# Altium PCB FlatSat Half1.PcbDoc (part 6 of 9)
Units mil, origin at the board's own origin, x right, y up, seen from the top; angles counter-clockwise.
Board outline 4682 x 10392 mil, 4 copper layers (Top Layer, STR GND 1, STR GND 2, Bottom Layer), stack 33.434 mil thick; 231 components, 255 nets, 990 pads, 1106 vias.
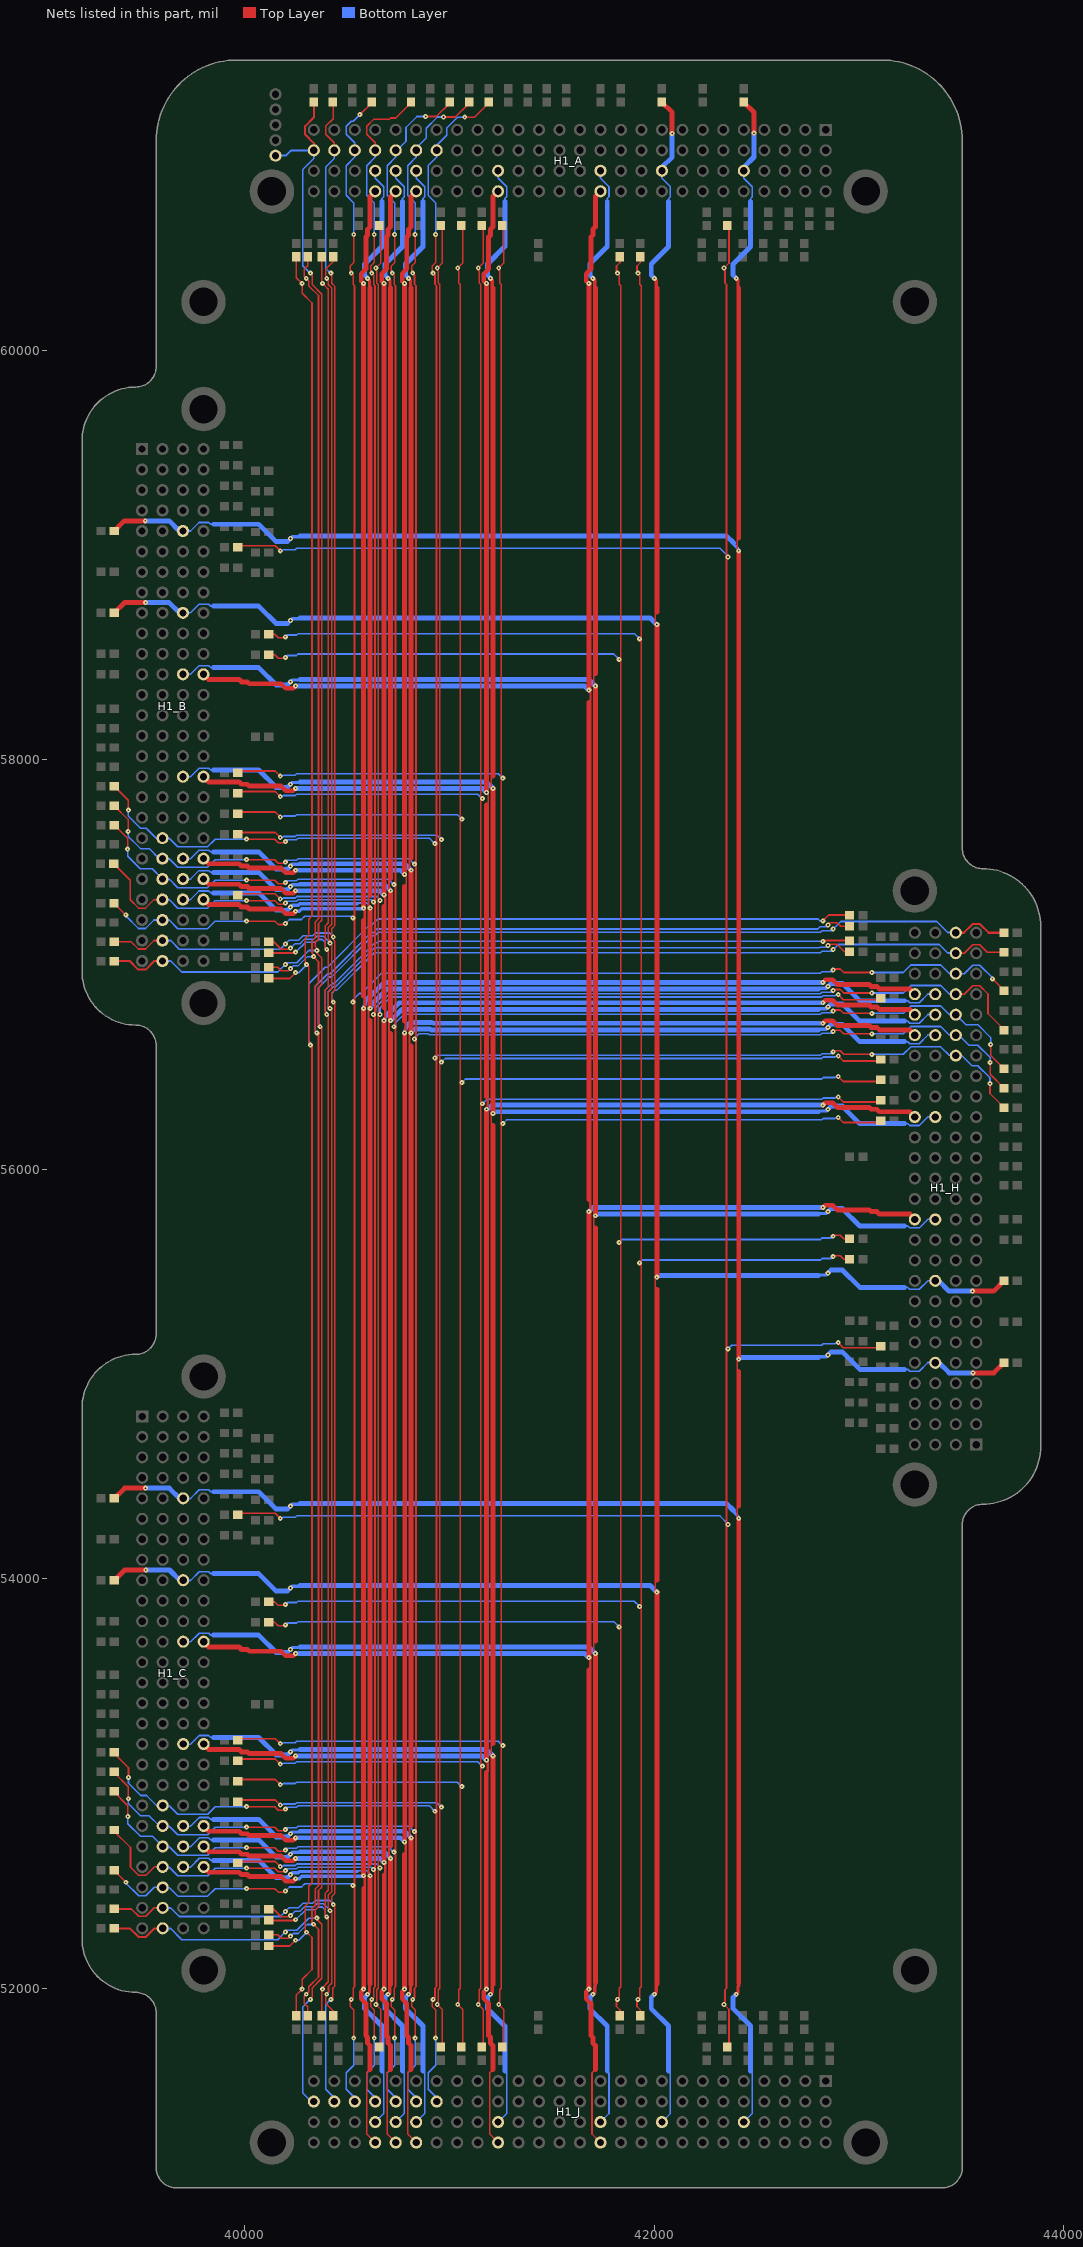
[diagram p8: the nets of this part, all layers, seen from the top]

## Via types
v1: diameter 24, hole 8, Top Layer to Bottom Layer, 1106 vias

## Nets (pads, with @x,y where several pads share a name; then routed paths per layer and width w, separated by ;. In a path a pad name is that pad's centre, name@x,y a point inside that pad or via, vN(x,y) a via of type N, cw(c..) or ccw(c..) an arc to the next point about the centre after c; other vN are vias at no path point) (continued)
12V_BUS_1: H1_A.75 H1_B.75 H1_C.75 H1_H.75 H1_J.75 | length 15584.3
  Top Layer w8: v1(41712,53635) 41704,53643 41704,53687 41712,53695 ; 41712,55713 41704,55721 41704,55765 v1(41712,55773) ; v1(41712,58360) 41704,58368 41704,58412 41712,58420
  Top Layer w16: v1(41700,51971) 41709,51980 41709,52010 41712,52013 41712,52021 ; v1(41700,60351) 41709,60342 41709,60312 41712,60309 41712,60304
  Top Layer w24: 41712,52029 v1(41712,53635) ; 41712,53695 41712,55713 ; v1(41712,55773) v1(41712,58360) ; 41712,58420 41712,60304
  Bottom Layer w8: H1_C.75@39698,53692 39735,53692 39777.53,53734.53 39823.47,53734.53 39833,53725 39848,53725 ; H1_B.75@39698,58417 39735,58417 39776.53,58458.53 39824.47,58458.53 39833,58450 39848,58450 ; H1_J.75@41737,51347 41778.53,51388.53 41778.53,51587.47 41770,51596 ; H1_A.75@41737,60876 41737,60839 41778.53,60797.47 41778.53,60749.53 41770,60741 41770,60726 ; 43223,55723 43238,55723 43247.53,55713.47 43293.47,55713.47 43336,55756 H1_H.75@43373,55756
  Bottom Layer w16: v1(40223,53655) 40232,53664 40262,53664 ; v1(40223,58380) 40232,58389 40262,58389 ; 40265,53667 40270,53667 ; 40265,58392 40270,58392 ; 42801,55781 42806,55781 ; 42809,55784 42839,55784 v1(42848,55793)
  Bottom Layer w22: 40208,53640 v1(40223,53655) ; 40208,58365 v1(40223,58380) ; 41685,51956 v1(41700,51971) ; 41685,60366 v1(41700,60351) ; v1(42848,55793) 42863,55808
  Bottom Layer w24: 39848,53725 40068,53725 40153,53640 40208,53640 ; 39848,58450 40068,58450 40153,58365 40208,58365 ; 40270,53667 41680,53667 v1(41712,53635) ; 40270,58392 41680,58392 v1(41712,58360) ; 41685,51956 41685,51901 41770,51816 41770,51596 ; 41685,60366 41685,60421 41770,60506 41770,60726 ; v1(41712,55773) 41720,55781 42801,55781 ; 42863,55808 42918,55808 43003,55723 43223,55723
12V_BUS_2: H1_A.76 H1_B.76 H1_C.76 H1_H.76 H1_J.76 | length 15109.2
  Top Layer w8: 41680,58280 41688,58288 41688,58332 v1(41680,58340) ; 41712,51604 41695.47,51587.47 41695.47,51288.53 H1_J.76@41737,51247
  Top Layer w12: 41680,53555 41686,53561 41686,53609 v1(41680,53615) ; v1@41680,55792 41686,55798 41686,55847 41680,55853
  Top Layer w22: 40177,53646 40200,53623 40236.25,53623 v1@40248.13,53634.87 ; 40177,58371 40200,58348 40236.25,58348 v1@40248.13,58359.87 ; v1@41679.87,51996.13 41668,51984.25 41668,51948 41691,51925 ; v1@41679.87,60325.87 41668,60337.75 41668,60374 41691,60397 ; v1@42822.87,55813.13 42834.75,55825 42871,55825 42894,55802
  Top Layer w24: H1_C.76@39798,53692 39823,53667 39972,53667 39984,53655 40012.6,53655 40021.6,53646 40177,53646 ; H1_B.76@39798,58417 39823,58392 39972,58392 39984,58380 40012.6,58380 40021.6,58371 40177,58371 ; v1@41679.87,51996.13 41680,51996.25 41680,53555 ; v1(41680,53615) v1@41680,55792 ; 41680,55853 41680,58280 ; v1(41680,58340) v1(41680,60326) ; 41691,51925 41691,51769.6 41700,51760.6 41700,51732 41712,51720 41712,51604 ; 41691,60397 41691,60552.4 41700,60561.4 41700,60590 41712,60602 41712,60751 H1_A.76@41737,60776 ; 42894,55802 43049.4,55802 43058.4,55793 43087,55793 43099,55781 43248,55781 H1_H.76@43273,55756
  Bottom Layer w24: v1(40248,53635) 41660,53635 v1(41680,53615) ; v1(40248,58360) 41660,58360 v1(41680,58340) ; v1(41680,55793) 41700,55813 v1(42823,55813)
  other v1: 41680,51996
ADCS_CS: R102_A.1 R102_B.1 R102_C.1 R102_E.1 R102_H.1 | length 12121.2
  Top Layer w8: R102_C.1@40117.48,52331.67 40117.48,52331 40244,52331 v1(40248,52335) ; R102_B.1@40117.48,57056.67 40117.48,57056 40244,57056 v1(40248,57060) ; R102_E.1@40376.67,51865.48 40376,51865.48 40376,51992 v1(40380,51996) 40380,52003.63 40408,52031.63 40408,52349 v1(40400,52349) 40392,52349 40392,52462.91 40408,52478.91 40408,56756 v1(40400,56756) ; R102_A.1@40376.67,60456.52 40376,60456.52 40376,60330 v1(40380,60326) 40392,60314 40392,60313.34 40408,60297.34 40408,57203.2 40392,57187.2 v1@40392,57080 ; v1@40392,56756 40392,56874.25 40408,56890.25 40408,57067 v1@40399,57076 ; v1@40400,57072 v1(40400,57074) ; v1(42823,57113) 42827,57117 42953.52,57117 R102_H.1@42953.52,57116.33
  Bottom Layer w8: v1(40248,52335) 40274,52361 40275.82,52361 40297.82,52383 40344.06,52383 40358.06,52397 40377.94,52397 40392,52382.94 v1@40392,52355 ; v1(40248,57060) 40274,57086 40275.82,57086 40297.82,57108 40344.06,57108 40358.06,57122 40377.94,57122 40392,57107.94 v1@40392,57080 ; v1@40397,56756 40398.75,56757.75 40398.75,56767.3 40392,56774.06 40392,56873.49 40425.51,56907 40436.51,56907 40636.51,57107 40647.45,57107 40653.45,57113 v1(42823,57113)
ADCS_MISO: R101_A.2 R101_B.2 R101_C.2 R101_E.2 R101_H.2 | length 12185.7
  Top Layer w8: R101_C.2@40102.15,52386.67 R101_C.2@40108.15,52380.67 ; R101_B.2@40102.15,57111.67 R101_B.2@40108.15,57105.67 ; R101_C.2@40117.48,52386.67 40141.33,52386.67 40178,52350 40218,52350 v1(40223,52355) ; R101_B.2@40117.48,57111.67 40141.33,57111.67 40178,57075 40218,57075 v1(40223,57080) ; v1@40408,56786 40408,56867.63 40424,56883.63 40424,57097 40416,57105 v1@40415,57105 ; v1(40416,56786) 40424,56786 40424,52472 40423.72,52471.72 40423.72,52471.28 40408,52455.57 40408,52379 v1(40416,52379) 40424,52379 40424,52025 40409,52010 40409,51980 v1(40400,51971) 40395,51966 40395,51926 40431.67,51889.33 R101_E.2@40431.67,51865.48 ; v1@40416,57107 40420.16,57111.16 40408,57123.31 40408,57180.57 40424,57196.57 40424,60303.96 40408,60319.96 40408,60343 v1(40400,60351) 40395,60356 40395,60396 40431.67,60432.67 R101_A.2@40431.67,60456.52 ; R101_E.2@40425.67,51856.15 R101_E.2@40431.67,51850.15 ; R101_A.2@40425.67,60465.85 R101_A.2@40431.67,60471.85 ; v1(42848,57093) 42853,57098 42893,57098 42929.67,57061.33 R101_H.2@42953.52,57061.33 ; R101_H.2@42962.85,57067.33 R101_H.2@42968.85,57061.33
  Bottom Layer w8: v1(40223,52355) 40245,52377 40269.2,52377 40291.2,52399 40337.43,52399 40351.43,52413 40384.57,52413 40414,52383.57 v1@40414,52381 ; v1(40223,57080) 40245,57102 40269.2,57102 40291.2,57124 40337.43,57124 40351.43,57138 40384.57,57138 40414,57108.57 v1@40414,57106 ; v1@40414,56786 40408,56792 40408,56866.86 40432.14,56891 40443.14,56891 40633.14,57081 42806,57081 42809,57084 42839,57084 v1(42848,57093)
  other v1: 40416,57104
ADCS_MOSI: R103_A.1 R103_B.1 R103_C.1 R103_E.1 R103_H.1 | length 12195.1
  Top Layer w8: R103_C.1@40117.48,52261.67 40161.33,52261.67 40178,52245 40213,52245 v1(40223,52255) ; R103_B.1@40117.48,56986.67 40161.33,56986.67 40178,56970 40213,56970 v1(40223,56980) ; R103_E.1@40306.67,51865.48 40306.67,51909.33 40290,51926 40290,51961 v1(40300,51971) 40313,51984 40313,52008.25 40360,52055.25 40360,52289 v1(40336,52313) ; R103_A.1@40306.67,60456.52 40306.67,60412.67 40290,60396 40290,60361 v1(40300,60351) 40313,60338 40313,60313.75 40360,60266.75 40360,57223.08 40344,57207.08 40344,57130.57 40328,57114.57 40328,57057.31 v1@40340.16,57045.16 ; v1@40328,52313 40328,52389.57 40344,52405.57 40344,52485 40360,52501 40360,56666 v1(40352,56666) ; v1(40336,57038) 40360,57014 40360,56910.14 40344,56894.14 v1@40344,56666 ; v1(42848,57193) 42858,57203 42893,57203 42909.67,57186.33 R103_H.1@42953.52,57186.33
  Bottom Layer w8: v1(40223,52255) 40236,52268 40260.2,52268 40304.2,52312 v1@40336,52312 ; v1(40223,56980) 40236,56993 40260.2,56993 40304.2,57037 v1@40336,57037 ; v1@40344,56671 40344,56893.37 40405.63,56955 40416.63,56955 40617.63,57156 40628.57,57156 40645.57,57173 42798,57173 42809,57184 42839,57184 v1(42848,57193)
ADCS_PDI_CLK: R20_A.2 R20_B.2 R20_C.2 R20_E.2 R20_H.2 | length 13324.1
  Top Layer w8: R20_C.2@40117.15,53887 R20_C.2@40117.48,53887 40146,53887 40163,53870 v1@40193,53870 ; R20_B.2@40117.15,58612 R20_B.2@40117.48,58612 40146,58612 40163,58595 v1@40193,58595 ; R20_E.2@41932,51865.15 R20_E.2@41932,51865.48 41932,51894 41915,51911 41915,51941 v1(41920,51946) 41929,51955 41929,52000.41 41936,52007.41 41936,60314.59 41929,60321.59 41929,60367 v1(41920,60376) 41915,60381 41915,60411 41932,60428 R20_A.2@41932,60456.52 R20_A.2@41932,60456.85 ; v1@42878,55578 42908,55578 42925,55561 R20_H.2@42953.52,55561 R20_H.2@42953.85,55561
  Bottom Layer w8: v1(40198,53875) 40207,53884 40252.41,53884 40259.41,53891 41902,53891 v1(41928,53865) ; v1(40198,58600) 40207,58609 40252.41,58609 40259.41,58616 41902,58616 v1(41928,58590) ; v1(41928,55543) 41942,55557 42811.59,55557 42818.59,55564 42864,55564 v1(42873,55573)
ADCS_PDI_DATA: R22_A.2 R22_B.2 R22_C.2 R22_E.2 R22_H.2 | length 13244.7
  Top Layer w8: R22_C.2@40117.15,53787 R22_C.2@40117.48,53787 40146,53787 40163,53770 40193,53770 v1(40198,53775) ; R22_B.2@40117.15,58512 R22_B.2@40117.48,58512 40146,58512 40163,58495 40193,58495 v1(40198,58500) ; R22_E.2@41832,51865.15 R22_E.2@41832,51865.48 41832,51894 41815,51911 41815,51941 v1(41820,51946) 41829,51955 41829,52000.41 41836,52007.41 ; R22_A.2@41832,60456.85 R22_A.2@41832,60456.52 41832,60428 41815,60411 41815,60381 v1(41820,60376) 41829,60367 41829,60321.59 41836,60314.59 41836,52008 ; v1(42873,55673) 42878,55678 42908,55678 42925,55661 R22_H.2@42953.52,55661 R22_H.2@42953.85,55661
  Bottom Layer w8: v1(40198,53775) 40207,53784 40252.41,53784 40259.41,53791 41802,53791 v1(41828,53765) ; v1(40198,58500) 40207,58509 40252.41,58509 40259.41,58516 41802,58516 v1(41828,58490) ; v1(41828,55643) 41842,55657 42811.59,55657 42818.59,55664 42864,55664 v1(42873,55673)
ADCS_SCLK: R104_A.2 R104_B.2 R104_C.2 R104_E.2 R104_H.2 | length 12294.4
  Top Layer w8: R104_C.2@40102.15,52206.67 R104_C.2@40117.48,52206.67 40219.67,52206.67 v1(40248,52235) ; R104_B.2@40102.15,56931.67 R104_B.2@40117.48,56931.67 40219.67,56931.67 v1(40248,56960) ; R104_E.2@40251.67,51850.15 R104_E.2@40251.67,51865.48 40251.67,51967.67 v1(40280,51996) 40280,52044 40328,52092 40328,52248 v1(40302,52274) 40296,52280 40296,52402.82 40312,52418.82 40312,52498.25 40328,52514.25 40328,56606 v1(40320,56606) 40312,56606 40312,56989 v1(40302,56999) 40296,57005 40296,57127.82 40312,57143.82 40312,57220.33 40328,57236.33 40328,60230.06 40280,60278.06 v1(40280,60326) 40251.67,60354.33 R104_A.2@40251.67,60456.52 R104_A.2@40251.67,60471.85 ; v1(42823,57213) 42851.33,57241.33 R104_H.2@42953.52,57241.33
  Bottom Layer w8: v1(40248,52235) 40263,52235 v1(40302,52274) ; v1(40248,56960) 40263,56960 v1(40302,56999) ; v1(40320,56606) 40320,56618.06 40312,56626.06 40312,56906.63 40392.37,56987 40403.37,56987 40604.37,57188 40615.31,57188 40649.31,57222 42798.94,57222 42807.94,57213 v1(42823,57213)
ADCS_SS1: R11_A.1 R11_B.1 R11_C.1 R11_E.1 R11_H.1 | length 14590.4
  Top Layer w8: R11_C.1@39965.48,54312 39965.48,54319.67 40148.33,54319.67 v1(40173,54295) ; R11_B.1@39965.48,59037 39965.48,59044.67 40148.33,59044.67 v1(40173,59020) ; R11_E.1@42357,51713.48 42364.67,51713.48 42364.67,51896.33 v1(42340,51921) 42340,51930 42345,51935 42345,51993.78 42352.03,52000.81 42352.03,60321.19 42345,60328.22 42345,60387 42340,60392 v1(42340,60401) 42364.67,60425.67 42364.67,60608.52 R11_A.1@42357,60608.52 ; v1(42898,55153) 42922.67,55128.33 43105.52,55128.33 R11_H.1@43105.52,55136
  Bottom Layer w8: v1(40173,54295) 40182,54295 40187,54300 40245.78,54300 40252.78,54307 42320.94,54307 42361,54266.94 v1@42361,54265 ; v1(40173,59020) 40182,59020 40187,59025 40245.78,59025 40252.78,59032 42320.94,59032 42361,58991.94 v1@42361,58990 ; v1(42360,55123) 42378,55141 42818.22,55141 42825.22,55148 42884,55148 42889,55153 v1(42898,55153)
  other v1: 42360,54265 42360,58990
BAT_POS_1: H1_A.85 H1_B.85 H1_C.85 H1_H.85 H1_J.85 | length 15106.6
  Top Layer w8: v1(41212,53135) 41204,53143 41204,53187 41212,53195 ; 41212,56213 41204,56221 41204,56265 v1(41212,56273) ; v1(41212,57860) 41204.01,57867.99 41204.01,57876.96 41204,57914 41210,57920 41212,57920
  Top Layer w16: v1(41200,51971) 41209,51980 41209,52010 41212,52013 41212,52018 ; v1(41200,60351) 41209,60342 41209,60312 41212,60309 41212,60304
  Top Layer w24: 41212.01,52031.99 41212.01,52018.4 v1(41212,53135) ; 41212,53195 41212,56213 ; v1(41212,56273) v1(41212,57860) ; 41212,57920 41212,60304
  Bottom Layer w8: H1_C.85@39698,53192 39735,53192 39777.53,53234.53 39823.47,53234.53 39833,53225 39848,53225 ; H1_B.85@39698,57917 39735,57917 39776.53,57958.53 39824.47,57958.53 39833,57950 39848,57950 ; H1_J.85@41237,51347 41278.53,51388.53 41278.53,51587.47 41270,51596 ; H1_A.85@41237,60876 41237,60839 41278.53,60797.47 41278.53,60749.53 41270,60741 41270,60726 ; 43223,56223 43238,56223 43247.53,56213.47 43293.47,56213.47 43336,56256 H1_H.85@43373,56256
  Bottom Layer w16: v1(40223,53155) 40232,53164 40262,53164 ; v1(40223,57880) 40232,57889 40262,57889 ; 40265,53167 40270,53167 ; 40265,57892 40270,57892 ; 42801,56281 42806,56281 ; 42809,56284 42839,56284 v1(42848,56293)
  Bottom Layer w22: 40208,53140 v1(40223,53155) ; 40208,57865 v1(40223,57880) ; 41185,51956 v1(41200,51971) ; 41185,60366 v1(41200,60351) ; v1(42848,56293) 42863,56308
  Bottom Layer w24: 39848,53225 40068,53225 40153,53140 40208,53140 ; 39848,57950 40068,57950 40153,57865 40208,57865 ; 40270,53167 41180,53167 v1(41212,53135) ; 40270,57892 41180,57892 v1(41212,57860) ; 41185,51956 41185,51901 41270,51816 41270,51596 ; 41185,60366 41185,60421 41270,60506 41270,60726 ; v1(41212,56273) 41220,56281 42801,56281 ; 42863,56308 42918,56308 43003,56223 43223,56223
BAT_POS_2: H1_A.86 H1_B.86 H1_C.86 H1_H.86 H1_J.86 | length 14590.5
  Top Layer w8: 41180,57780 41188,57788 41188,57831.99 v1(41180,57840) ; 41212,51604 41195.47,51587.47 41195.47,51288.53 H1_J.86@41237,51247
  Top Layer w12: 41180,53055 41186,53061 41186,53109 v1(41180,53115) ; v1(41180,56293) 41186,56299 41186,56346 41180,56352
  Top Layer w22: 40177,53146 40200,53123 40236.25,53123 v1@40248.13,53134.87 ; 40177,57871 40200,57848 40236.25,57848 ; v1@41179.87,51996.13 41168,51984.25 41168,51948 41191,51925 ; v1@41179.87,60325.87 41168,60337.75 41168,60374 41191,60397 ; v1(41180,51996) 41180,53055 ; v1@42822.87,56313.13 42834.75,56325 42871,56325 42894,56302
  Top Layer w24: H1_C.86@39798,53192 39823,53167 39972,53167 39984,53155 40012.6,53155 40021.6,53146 40177,53146 ; H1_B.86@39798,57917 39823,57892 39972,57892 39984,57880 40012.6,57880 40021.6,57871 40177,57871 ; v1(41180,53115) v1(41180,56293) ; 41180,56354 41180,57780 ; v1(41180,57840) 41180,57860 v1(41180,60326) ; 41191,51925 41191,51769.6 41200,51760.6 41200,51732 41212,51720 41212,51604 ; 41191,60397 41191,60552.4 41200,60561.4 41200,60590 41212,60602 41212,60751 H1_A.86@41237,60776 ; 42894,56302 43049.4,56302 43058.4,56293 43087,56293 43099,56281 43248,56281 H1_H.86@43273,56256
  Bottom Layer w24: v1(40248,53135) 41160,53135 v1(41180,53115) ; v1(40248,57860) 41160,57860 v1(41180,57840) ; v1(41180,56293) 41186.75,56293 41206.75,56313 v1(42823,56313)
BATV_BUS_1: H1_A.97 H1_B.97 H1_C.97 H1_H.97 H1_J.97 | length 14520.7
  Top Layer w8: v1@40604,57283 40604,57331 40612,57339 ; v1(40612,52550) 40604,52558 40604,52602 40612,52610 ; 40612,56726 40604,56734 40604,56778 v1(40612,56786)
  Top Layer w16: v1(40600,51971) 40609,51980 40609,52016 40612,52019 ; v1(40600,60351) 40609,60342 40609,60312 40612,60309 40612,60304
  Top Layer w24: 40612,52020 v1(40612,52550) ; 40612,52610 40612,56726 ; v1@40612,56786.47 v1(40612,57275) ; 40612,57339 40612,60304
  Bottom Layer w8: H1_C.97@39698,52592 39735,52592 39777.53,52634.53 39823.47,52634.53 39833,52625 39848,52625 ; H1_B.97@39698,57317 39735,57317 39776.53,57358.53 39824.47,57358.53 39833,57350 39848,57350 ; 40549,52571 40553,52575 40596,52575 v1@40611,52560 ; 40549,57296 40553,57300 40596,57300 v1@40611,57285 ; H1_J.97@40637,51347 40678.53,51388.53 40678.53,51587.47 40670,51596 ; H1_A.97@40637,60876 40637,60839 40678.53,60797.47 40678.53,60749.53 40670,60741 40670,60726 ; 43223,56823 43238,56823 43247.53,56813.47 43293.47,56813.47 43336,56856 H1_H.97@43373,56856
  Bottom Layer w16: v1(40223,52555) 40232,52564 40260.69,52564 40267.69,52571 40549,52571 ; v1(40223,57280) 40232,57289 40260.69,57289 40267.69,57296 40549,57296 ; 42801,56881 42806,56881 ; 42809,56884 42839,56884 v1(42848,56893)
  Bottom Layer w22: 40208,52540 v1(40223,52555) ; 40208,57265 v1(40223,57280) ; 40585,51956 v1(40600,51971) ; 40585,60366 v1(40600,60351) ; v1(42848,56893) 42863,56908
  Bottom Layer w24: 39848,52625 40068,52625 40153,52540 40208,52540 ; 39848,57350 40068,57350 40153,57265 40208,57265 ; 40585,51956 40585,51901 40670,51816 40670,51596 ; 40585,60366 40585,60421 40670,60506 40670,60726 ; v1(40612,56786) 40612,56788.8 40616,56792.8 40616,56800.57 40696.43,56881 42801,56881 ; 42863,56908 42918,56908 43003,56823 43223,56823
BATV_BUS_2: H1_A.98 H1_B.98 H1_C.98 H1_H.98 H1_J.98 | length 14031.7
  Top Layer w8: 40612,51604 40595.47,51587.47 40595.47,51288.53 H1_J.98@40637,51247
  Top Layer w12: 40580,52490 40586,52496 40586,52544 v1(40580,52550) ; v1@40580,56789 40586,56795 40586,56840 40580,56846 ; 40580,57214 40586,57220 40586,57269 v1(40580,57275)
  Top Layer w22: 40177,52546 40200,52523 40236.25,52523 v1@40248.13,52534.87 ; 40177,57271 40200,57248 40236.25,57248 v1@40248.13,57259.87 ; 40568,60337.75 40568,60374 40591,60397 ; v1@40579.87,51996.13 40568,51984.25 40568,51948 40591,51925 ; v1(40580,51996) 40580,52489 ; 42834.75,56925 42871,56925 42894,56902
  Top Layer w24: H1_C.98@39798,52592 39823,52567 39972,52567 39984,52555 40012.6,52555 40021.6,52546 40177,52546 ; H1_B.98@39798,57317 39823,57292 39972,57292 39984,57280 40012.6,57280 40021.6,57271 40177,57271 ; v1(40580,52550) v1(40580,56786) ; 40580,56846 40580,57214 ; v1(40580,57275) v1(40580,60326) ; 40591,51925 40591,51769.6 40600,51760.6 40600,51732 40612,51720 40612,51604 ; 40591,60397 40591,60552.4 40600,60561.4 40600,60590 40612,60602 40612,60751 H1_A.98@40637,60776 ; 42894,56902 43049.4,56902 43058.4,56893 43087,56893 43099,56881 43248,56881 H1_H.98@43273,56856
  Bottom Layer w16: v1(40248,52535) 40265.63,52535 40277.63,52547 40577,52547 v1(40580,52550) v1@40581,52551 ; v1(40248,57260) 40265.63,57260 40277.63,57272 40577,57272 v1(40580,57275) v1@40581,57276 ; v1@40580,56789 40580,56796.4 40588,56804.4 40588,56824 40594,56830
  Bottom Layer w24: 40592,56824.9 40680.1,56913 v1(42823,56913)
BCR_OUT_1: H1_A.93 H1_B.93 H1_C.93 H1_H.93 H1_J.93 | length 14690.5
  Top Layer w8: v1(40812,52735) 40804,52743 40804,52787 40812,52795 ; 40812,56603 40804,56611 40804,56658 v1(40812,56666) ; v1(40812,57460) 40804,57468 40804,57512 40812,57520
  Top Layer w16: v1(40800,51971) 40809,51980 40809,52010 40812,52013 40812,52018 ; v1(40800,60351) 40809,60342 40809,60312 40812,60309 40812,60304
  Top Layer w24: 40812,52018 v1(40812,52735) ; 40812,52795 40812,56603 ; v1(40812,56666) v1(40812,57460) ; 40812,57520 40812,60304
  Bottom Layer w8: H1_C.93@39698,52792 39735,52792 39777.53,52834.53 39823.47,52834.53 39833,52825 39848,52825 ; H1_B.93@39698,57517 39735,57517 39776.53,57558.53 39824.47,57558.53 39833,57550 39848,57550 ; H1_J.93@40837,51347 40878.53,51388.53 40878.53,51587.47 40870,51596 ; H1_A.93@40837,60876 40837,60839 40878.53,60797.47 40878.53,60749.53 40870,60741 40870,60726 ; 43223,56623 43238,56623 43247.53,56613.47 43293.47,56613.47 43336,56656 H1_H.93@43373,56656
  Bottom Layer w16: v1(40223,52755) 40232,52764 40262,52764 ; v1(40223,57480) 40232,57489 40262,57489 ; 40265,52767 40270,52767 ; 40265,57492 40270,57492 ; 42801,56681 42806,56681 ; 42809,56684 42839,56684 v1(42848,56693)
  Bottom Layer w22: 40208,52740 v1(40223,52755) ; 40208,57465 v1(40223,57480) ; 40785,51956 v1(40800,51971) ; 40785,60366 v1(40800,60351) ; v1(42848,56693) 42863,56708
  Bottom Layer w24: 39848,52825 40068,52825 40153,52740 40208,52740 ; 39848,57550 40068,57550 40153,57465 40208,57465 ; 40270,52767 40780,52767 v1(40812,52735) ; 40270,57492 40780,57492 v1(40812,57460) ; 40785,51956 40785,51901 40870,51816 40870,51596 ; 40785,60366 40785,60421 40870,60506 40870,60726 ; v1@40812,56667 40812,56668.8 40828.2,56685 40904,56685 ; 40911,56681 42801,56681 ; 42863,56708 42918,56708 43003,56623 43223,56623
BCR_OUT_2: H1_A.95 H1_B.95 H1_C.95 H1_H.95 H1_J.95 | length 14609.7
  Top Layer w8: v1(40712,52635) 40704,52643 40704,52687 40712,52695 ; 40712,56662 40704,56670 40704,56718 v1(40712,56726) ; v1(40712,57360) 40704,57368 40704,57412 40712,57420
  Top Layer w16: v1(40700,51971) 40708,51979 40708,52014 40712,52018 ; v1(40700,60351) 40709,60342 40709,60312 40712,60309 40712,60304
  Top Layer w24: 40712,52018 v1(40712,52635) ; 40712,52695 40712,56662 ; v1(40712,56726) v1(40712,57360) ; 40712,57420 40712,60304
  Bottom Layer w8: H1_C.95@39698,52692 39735,52692 39777.53,52734.53 39823.47,52734.53 39833,52725 39848,52725 ; H1_B.95@39698,57417 39735,57417 39776.53,57458.53 39824.47,57458.53 39833,57450 39848,57450 ; H1_J.95@40737,51347 40778.53,51388.53 40778.53,51587.47 40770,51596 ; H1_A.95@40737,60876 40737,60839 40778.53,60797.47 40778.53,60749.53 40770,60741 40770,60726 ; 43223,56723 43238,56723 43247.53,56713.47 43293.47,56713.47 43336,56756 H1_H.95@43373,56756
  Bottom Layer w16: v1(40223,52655) 40232,52664 40262,52664 ; v1(40223,57380) 40232,57389 40262,57389 ; 40265,52667 40270,52667 ; 40265,57392 40270,57392 ; 42801,56781 42806,56781 ; 42809,56784 42839,56784 v1(42848,56793)
  Bottom Layer w22: 40208,52640 v1(40223,52655) ; 40208,57365 v1(40223,57380) ; 40685,51956 v1(40700,51971) ; 40685,60366 v1(40700,60351) ; v1(42848,56793) 42863,56808
  Bottom Layer w24: 39848,52725 40068,52725 40153,52640 40208,52640 ; 39848,57450 40068,57450 40153,57365 40208,57365 ; 40270,52667 40680,52667 v1(40712,52635) ; 40270,57392 40680,57392 v1(40712,57360) ; 40685,51956 40685,51901 40770,51816 40770,51596 ; 40685,60366 40685,60421 40770,60506 40770,60726 ; v1(40712,56726) 40712.43,56726 40767.43,56781 40768,56781 ; 40770,56781 42801,56781 ; 42863,56808 42918,56808 43003,56723 43223,56723
BCR_OUT_3: H1_A.94 H1_B.94 H1_C.94 H1_H.94 H1_J.94 | length 14233.7
  Top Layer w8: 40780,57380 40788,57388 40788,57432 v1(40780,57440) ; 40812,51604 40795.47,51587.47 40795.47,51288.53 H1_J.94@40837,51247
  Top Layer w12: 40780,52655 40786,52661 40786,52709 v1(40780,52715) ; v1(40780,56666) 40786,56672 40786,56717 40780,56723
  Top Layer w22: 40177,52746 40200,52723 40236.25,52723 v1@40248.13,52734.87 ; 40177,57471 40200,57448 40236.25,57448 v1@40248.13,57459.87 ; v1@40779.87,51996.13 40768,51984.25 40768,51948 40791,51925 ; v1@40779.87,60325.87 40768,60337.75 40768,60374 40791,60397 ; v1(40780,52715) v1(40780,56666) ; v1@42822.87,56713.13 42834.75,56725 42871,56725 42894,56702
  Top Layer w24: H1_C.94@39798,52792 39823,52767 39972,52767 39984,52755 40012.6,52755 40021.6,52746 40177,52746 ; H1_B.94@39798,57517 39823,57492 39972,57492 39984,57480 40012.6,57480 40021.6,57471 40177,57471 ; v1@40779.87,51996.13 40780,51996.25 40780,52655 ; 40780,56723 40780,57380 ; v1(40780,57440) v1(40780,60326) ; 40791,51925 40791,51769.6 40800,51760.6 40800,51732 40812,51720 40812,51604 ; 40791,60397 40791,60552.4 40800,60561.4 40800,60590 40812,60602 40812,60751 H1_A.94@40837,60776 ; 42894,56702 43049.4,56702 43058.4,56693 43087,56693 43099,56681 43248,56681 H1_H.94@43273,56656
  Bottom Layer w16: v1(40780,56666) 40780,56676.4 40788,56684.4 40788,56691 ; 40788,56694 40788,56697 40794,56703
  Bottom Layer w22: v1(40248,52735) 40760,52735 v1(40780,52715) ; v1(40248,57460) 40760,57460 v1(40780,57440) ; 40912,56716 40916.84,56716 40919.84,56713 v1(42823,56713)
  Bottom Layer w24: 40794,56703 40808,56717 40912,56717
  other v1: 40780,51996
BCR_OUT_4: H1_A.96 H1_B.96 H1_C.96 H1_H.96 H1_J.96 | length 14125.9
  Top Layer w8: 40712,51604 40695.47,51587.47 40695.47,51288.53 H1_J.96@40737,51247
  Top Layer w12: 40680,52555 40686,52561 40686,52609 v1(40680,52615) ; v1(40680,56726) 40686,56732 40686,56783 40680,56789 ; 40680,57284 40686,57290 40686,57334 v1(40680,57340)
  Top Layer w22: 40177,52646 40200,52623 40236.25,52623 v1@40248.13,52634.87 ; 40177,57371 40200,57348 40236.25,57348 v1@40248.13,57359.87 ; v1@40679.87,51996.13 40668,51984.25 40668,51948 40691,51925 ; v1@40679.87,60325.87 40668,60337.75 40668,60374 40691,60397 ; v1(40680,51996) 40680,52555 ; 42834.75,56825 42871,56825 42894,56802
  Top Layer w24: H1_C.96@39798,52692 39823,52667 39972,52667 39984,52655 40012.6,52655 40021.6,52646 40177,52646 ; H1_B.96@39798,57417 39823,57392 39972,57392 39984,57380 40012.6,57380 40021.6,57371 40177,57371 ; v1(40680,52615) v1(40680,56726) ; 40680,56789 40680,57284 ; v1(40680,57340) v1(40680,60326) ; 40691,51925 40691,51769.6 40700,51760.6 40700,51732 40712,51720 40712,51604 ; 40691,60397 40691,60552.4 40700,60561.4 40700,60590 40712,60602 40712,60751 H1_A.96@40737,60776 ; 42894,56802 43049.4,56802 43058.4,56793 43087,56793 43099,56781 43248,56781 H1_H.96@43273,56756
  Bottom Layer w16: v1@40681,56726 40684,56729 40684,56737.6 40696.87,56750.47 40696.87,56756.13
  Bottom Layer w24: v1(40248,52635) 40660,52635 v1(40680,52615) ; v1(40248,57360) 40660,57360 v1(40680,57340) ; 40696.87,56756.13 40698.75,56758 40699,56758 40754,56813 v1(42823,56813)
COM_SBAND_INT: R37_A.1 R37_B.1 R37_C.1 R37_E.1 R37_H.1 | length 13269.6
  Top Layer w8: R37_C.1@39965.48,53012 39965.48,53019.67 40148.33,53019.67 v1(40173,52995) ; R37_B.1@39965.48,57737 39965.48,57744.67 40148.33,57744.67 v1(40173,57720) ; R37_E.1@41057,51713.48 41064.67,51713.48 41064.67,51896.33 v1(41040,51921) 41040,51930 41045,51935 41045,51993.78 41052,52000.78 41052,60321.22 41045,60328.22 41045,60387 41040,60392 v1(41040,60401) 41064.67,60425.67 41064.67,60608.52 R37_A.1@41057,60608.52 ; v1(42898,56453) 42922.67,56428.33 43105.52,56428.33 R37_H.1@43105.52,56436
  Bottom Layer w8: v1(40173,52995) 40182,52995 40187,53000 40245.78,53000 40252.78,53007 41038,53007 v1(41060,52985) ; v1(40173,57720) 40182,57720 40187,57725 40245.78,57725 40252.78,57732 41038,57732 v1(41060,57710) ; v1(41060,56423) 41078,56441 42818.22,56441 42825.22,56448 42884,56448 42889,56453 v1(42898,56453)
COM_SBAND_SS: R33_A.1 R33_B.1 R33_C.1 R33_E.1 R33_H.1 | length 13469.6
  Top Layer w8: R33_C.1@39965.48,53212 39965.48,53219.67 40148.33,53219.67 v1(40173,53195) ; R33_B.1@39965.48,57937 39965.48,57944.67 40148.33,57944.67 v1(40173,57920) ; R33_E.1@41257,51713.48 41264.67,51713.48 41264.67,51896.33 v1(41240,51921) 41240,51930 41245,51935 41245,51993.78 41252.01,52000.79 41252.01,60321.21 41245,60328.22 41245,60387 41240,60392 v1(41240,60401) 41264.67,60425.67 41264.67,60608.52 R33_A.1@41257,60608.52 ; v1(42898,56253) 42922.67,56228.33 43105.52,56228.33 R33_H.1@43105.52,56236
  Bottom Layer w8: v1(40173,53195) 40182,53195 40187,53200 40245.78,53200 40252.78,53207 41238,53207 v1(41260,53185) ; v1(40173,57920) 40182,57920 40187,57925 40245.78,57925 40252.78,57932 41238,57932 v1(41260,57910) ; v1(41260,56223) 41278,56241 42818.22,56241 42825.22,56248 42884,56248 42889,56253 v1(42898,56253)
COM_UHF/VHF_INT: R39_A.1 R39_B.1 R39_C.1 R39_E.1 R39_H.1 | length 13169.4
  Top Layer w8: R39_C.1@39965.48,52912 39965.48,52919.67 40148.33,52919.67 v1(40173,52895) ; R39_B.1@39965.48,57637 39965.48,57644.67 40148.33,57644.67 v1(40173,57620) ; 40952,52000.78 40945,51993.78 40945,51935 40940,51930 v1(40940,51921) 40964.67,51896.33 40964.67,51713.48 R39_E.1@40957,51713.48 ; 40952,52001 40952,60321.22 40945,60328.22 40945,60387 40940,60392 v1(40940,60401) 40964.67,60425.67 40964.67,60608.52 R39_A.1@40957,60608.52 ; v1(42898,56553) 42922.67,56528.33 43105.52,56528.33 R39_H.1@43105.52,56536
  Bottom Layer w8: v1(40173,52895) 40182,52895 40187,52900 40245.78,52900 40252.78,52907 40938,52907 v1(40960,52885) ; v1(40173,57620) 40182,57620 40187,57625 40245.78,57625 40252.78,57632 40938,57632 v1(40960,57610) ; v1(40960,56523) 40978,56541 42818.22,56541 42825.22,56548 42884,56548 42889,56553 v1(42898,56553)
COM_UHF/VHF_SS: R35_A.2 R35_B.2 R35_C.2 R35_E.2 R35_H.2 | length 13370.8
  Top Layer w8: R35_C.2@39965.48,53112 39965.48,53119.67 40148.33,53119.67 v1(40173,53095) ; R35_B.2@39965.48,57837 39965.48,57844.67 40148.33,57844.67 v1(40173,57820) ; R35_E.2@41157,51713.48 41164.67,51713.48 41164.67,51896.33 v1(41140,51921) 41140,51930 41145,51935 41145,51993.78 41152,52000.78 41152,60321.22 41145,60328.22 41145,60387 41140,60392 v1(41140,60401) 41164.67,60425.67 41164.67,60608.52 R35_A.2@41157,60608.52 ; v1(42898,56353) 42922.67,56328.33 43105.52,56328.33 R35_H.2@43105.52,56336
  Bottom Layer w8: v1(40173,53095) 40182,53095 40187,53100 40245.78,53100 40252.78,53107 41138,53107 v1(41160,53085) ; v1(40173,57820) 40182,57820 40187,57825 40245.78,57825 40252.78,57832 41138,57832 v1(41160,57810) ; v1(41160,56320) 41181,56341 42818.22,56341 42825.22,56348 42884,56348 42889,56353 v1(42898,56353)
GND_1: R45_A.1 R45_B.1 R45_C.1 R45_E.1 R45_H.1 | length 12927.3
  Top Layer w8: R45_C.1@39965.48,52612 39965.48,52619.67 40148.33,52619.67 v1(40173,52595) ; R45_B.1@39965.48,57337 39965.48,57344.67 40148.33,57344.67 v1(40173,57320) ; 40652,52000.78 40645,51993.78 40645,51935 40640,51930 v1(40640,51921) 40664.67,51896.33 40664.67,51713.48 R45_E.1@40657,51713.48 ; 40652,52001 v1@40652,52588 ; R45_A.1@40657,60608.52 40664.67,60608.52 40664.67,60425.67 v1(40640,60401) 40640,60392 40645,60387 40645,60328.22 40652,60321.22 40652,56764 v1(40660,56756) 40652,56756 v1@40652,52588 ; v1(40660,52588) v1@40652,52588 ; v1(42898,56853) 42922.67,56828.33 43105.52,56828.33 R45_H.1@43105.52,56836
  Bottom Layer w8: v1(40173,52595) 40182,52595 40187,52600 40245.78,52600 40252.78,52607 40643,52607 40660,52590 v1(40660,52588) ; v1(40173,57320) 40182,57320 40187,57325 40245.78,57325 40252.78,57332 40643,57332 40660,57315 v1(40660,57313) ; v1@40660,56763.75 40660,56788 40713,56841 42818.22,56841 42825.22,56848 42884,56848 42889,56853 v1(42898,56853)
GND_2: H1_A.40 H1_B.40 H1_C.40 H1_H.40 H1_J.40 J40_A.1 J40_B.1 J40_C.1 J40_H.1 | length 16542
  Top Layer w8: J40_B.1@39362.48,57870.28 39431,57801.76 v1(39431,57754) ; J40_C.1@39363.48,53146.28 39432,53077.76 v1(39432,53030) ; v1(40009,52887) 40146,52887 40163,52870 40193,52870 v1(40198,52875) ; v1(40009,57612) 40146,57612 40163,57595 40193,57595 v1(40198,57600) ; v1(40932,51757) 40932,51894 40915,51911 40915,51941 v1(40920,51946) 40929,51955 40929,52000.41 40936,52007.41 40936,60314.59 40929,60321.59 40929,60367 v1(40920,60376) 40915,60381 40915,60411 40932,60428 v1(40932,60565) ; v1(41074,61138) 41121.76,61138 J40_A.1@41190.28,61206.52 ; v1(42873,56573) 42878,56578 42908,56578 42925,56561 v1(43062,56561) ; v1(43639,56418) 43639,56370.24 J40_H.1@43707.52,56301.72
  Bottom Layer w8: v1(39431,57754) 39431,57725.27 39490.27,57666 39519,57666 39568,57617 H1_B.40@39598,57617 39631,57617 39673,57575 39818,57575 39855,57612 v1(40009,57612) ; v1(39432,53030) 39432,53001.27 39491.27,52942 39520,52942 39569,52893 H1_C.40@39599,52893 ; H1_C.40@39598,52892 39631,52892 39672.47,52850.53 39818.53,52850.53 39855,52887 v1(40009,52887) ; v1(40198,52875) 40207,52884 40252.41,52884 40259.41,52891 40902,52891 v1(40928,52865) ; v1(40198,57600) 40207,57609 40252.41,57609 40259.41,57616 40902,57616 v1(40928,57590) ; v1(40928,56543) 40942,56557 42811.59,56557 42818.59,56564 42864,56564 v1(42873,56573) ; v1(40932,51757) 40932,51624 40895.47,51587.47 40895.47,51507.53 40937,51466 H1_J.40@40937,51447 ; v1(40932,60565) 40932,60719 40895,60756 40895,60901 40937,60943 H1_A.40@40937,60976 40937,61001 40986,61050 40986,61085 41039,61138 v1(41074,61138) ; v1(43062,56561) 43216,56561 43252.47,56597.47 43398.53,56597.47 43440,56556 H1_H.40@43473,56556 ; H1_H.40@43472,56555 43502,56555 43551,56506 43579.73,56506 43639,56446.73 v1(43639,56418)
GND_3: H1_A.42 H1_B.42 H1_C.42 H1_H.42 H1_J.42 J42_A.1 J42_B.1 J42_C.1 J42_H.1 | length 16470
  Top Layer w8: J42_B.1@39362.48,57775.62 39430,57708.1 v1(39430,57650) ; J42_C.1@39363.48,53051.62 39431,52984.1 v1(39431,52926) ; v1(40009,52787) 40146,52787 40163,52770 40193,52770 v1(40198,52775) ; v1(40009,57512) 40146,57512 40163,57495 40193,57495 v1(40198,57500) ; v1(40832,51757) 40832,51894 40815,51911 40815,51941 v1(40820,51946) 40829,51955 40829,52000.41 40836,52007.41 40836,60314.59 40829,60321.59 40829,60367 v1(40820,60376) 40815,60381 40815,60411 40832,60428 v1(40832,60565) ; v1(40970,61139) 41028.1,61139 J42_A.1@41095.62,61206.52 ; v1(42873,56673) 42878,56678 42908,56678 42925,56661 v1(43062,56661) ; v1(43640,56522) 43640,56463.9 J42_H.1@43707.52,56396.38
  Bottom Layer w8: v1(39430,57650) 39430,57626.27 39490.27,57566 39533,57566 39582,57517 H1_B.42@39598,57517 39631,57517 39673,57475 39818,57475 39855,57512 v1(40009,57512) ; v1(39431,52926) 39431,52902.27 39491.27,52842 39534,52842 39583,52793 H1_C.42@39599,52793 ; H1_C.42@39598,52792 39631,52792 39672.47,52750.53 39818.53,52750.53 39855,52787 v1(40009,52787) ; v1(40198,52775) 40207,52784 40252.41,52784 40259.41,52791 40802,52791 v1(40828,52765) ; v1(40198,57500) 40207,57509 40252.41,57509 40259.41,57516 40802,57516 v1(40828,57490) ; v1(40828,56636) 40828,56637.94 40851.06,56661 40897.06,56661 40901.06,56657 42811.59,56657 42818.59,56664 42864,56664 v1(42873,56673) ; v1(40832,51757) 40832,51624 40795.47,51587.47 40795.47,51507.53 40837,51466 H1_J.42@40837,51447 ; v1(40832,60565) 40832,60719 40795,60756 40795,60901 40837,60943 H1_A.42@40837,60976 40837,60987 40886,61036 40886,61083.73 40941.27,61139 v1(40970,61139) ; v1(43062,56661) 43216,56661 43252.47,56697.47 43398.53,56697.47 43440,56656 H1_H.42@43473,56656 ; H1_H.42@43472,56655 43488,56655 43537,56606 43579.73,56606 43640,56545.73 v1(43640,56522)
GND_4: H1_A.44 H1_B.44 H1_C.44 H1_H.44 H1_J.44 J44_A.1 J44_B.1 J44_C.1 J44_H.1 | length 16417.9
  Top Layer w8: J44_B.1@39362.48,57680.97 39428,57615.45 v1(39428,57563) ; J44_C.1@39363.48,52956.97 39429,52891.45 v1(39429,52839) ; v1(40009,52687) 40146,52687 40163,52670 40193,52670 v1(40198,52675) ; v1(40009,57412) 40146,57412 40163,57395 40193,57395 v1(40198,57400) ; v1(40732,51757) 40732,51894 40715,51911 40715,51941 v1(40720,51946) 40729,51955 40729,52000.41 40736,52007.41 40736,60314.59 40729,60321.59 40729,60367 v1(40720,60376) 40715,60381 40715,60411 40732,60428 v1(40732,60565) ; v1(40883,61141) 40935.45,61141 J44_A.1@41000.97,61206.52 ; v1(42873,56773) 42878,56778 42908,56778 42925,56761 v1(43062,56761) ; v1(43642,56609) 43642,56556.55 J44_H.1@43707.52,56491.03
  Bottom Layer w8: v1(39428,57563) 39428,57528.27 39489.27,57467 39548,57467 H1_B.44@39598,57417 39631,57417 39673,57375 39818,57375 39855,57412 v1(40009,57412) ; v1(39429,52839) 39429,52804.27 39490.27,52743 39549,52743 H1_C.44@39599,52693 ; H1_C.44@39598,52692 39631,52692 39672.47,52650.53 39818.53,52650.53 39855,52687 v1(40009,52687) ; v1(40198,52675) 40207,52684 40252.41,52684 40259.41,52691 40702,52691 v1(40728,52665) ; v1(40198,57400) 40207,57409 40252.41,57409 40259.41,57416 40702,57416 v1(40728,57390) ; v1@40730,56694 40736,56700 40736,56715.63 40777.37,56757 42811.59,56757 42818.59,56764 42864,56764 v1(42873,56773) ; v1(40732,51757) 40732,51624 40695.47,51587.47 40695.47,51507.53 40737,51466 H1_J.44@40737,51447 ; v1(40732,60565) 40732,60719 40695,60756 40695,60901 40737,60943 H1_A.44@40737,60971 ; H1_A.44@40737,60976 H1_A.44@40737,60971 ; v1(40883,61141) 40840.79,61141 40787,61087.21 40787,61021 H1_A.44@40737,60971 ; v1(43062,56761) 43216,56761 43252.47,56797.47 43398.53,56797.47 43440,56756 H1_H.44@43473,56756 ; H1_H.44@43472,56755 43522,56705 43580.73,56705 43642,56643.73 v1(43642,56609)
  other v1: 40728,56696
GND_5: H1_A.46 H1_B.46 H1_C.46 H1_H.46 H1_J.46 J46_A.1 J46_B.1 J46_C.1 J46_H.1 | length 16358.8
  Top Layer w8: J46_B.1@39360.48,57491.66 39440.47,57411.66 39440.47,57315.8 39480.8,57275.47 39515.2,57275.47 39556.73,57317 H1_B.46@39598,57317 ; J46_C.1@39361.48,52767.66 39441.47,52687.66 39441.47,52591.8 39481.8,52551.47 39516.2,52551.47 39557.73,52593 H1_C.46@39599,52593 ; v1(40009,52587) 40146,52587 40163,52570 40193,52570 v1(40198,52575) ; v1(40009,57312) 40146,57312 40163,57295 40193,57295 v1(40198,57300) ; v1(40628,56756) 40636,56756 40636,52580 v1(40628,52580) 40636,52572 40636,52009 40635,52008 ; v1(40632,51757) 40632,51894 40615,51911 40615,51941 v1(40620,51946) 40629,51955 40629,52000.41 40636,52007.41 ; v1(40632,60565) 40632,60428 40615,60411 40615,60381 v1(40620,60376) 40629,60367 40629,60321.59 40636,60314.59 40636,56765 ; H1_A.46@40637,60971 H1_A.46@40637,60976 40637,61012.27 40595.47,61053.8 40595.47,61093.2 40630.8,61128.53 40708.17,61128.53 40713.17,61133.53 40736.66,61133.53 J46_A.1@40811.66,61208.52 ; v1(42873,56873) 42878,56878 42908,56878 42925,56861 v1(43062,56861) ; H1_H.46@43472,56855 43513.27,56855 43554.8,56896.53 43589.2,56896.53 43629.53,56856.2 43629.53,56760.34 J46_H.1@43709.52,56680.34
  Bottom Layer w8: H1_C.46@39598,52592 39631,52592 39672.47,52550.53 39818.53,52550.53 39855,52587 v1(40009,52587) ; H1_B.46@39598,57317 39631,57317 39673,57275 39818,57275 39855,57312 v1(40009,57312) ; v1(40198,52575) 40207,52584 40252.41,52584 40259.41,52591 40618,52591 v1@40630,52579 ; v1(40198,57300) 40207,57309 40252.41,57309 40259.41,57316 40618,57316 v1@40630,57304 ; v1(40628,56756) 40628,56757.94 40640,56769.94 40640,56790.63 40706.37,56857 42810.94,56857 42817.94,56864 42864,56864 v1(42873,56873) ; v1(40632,51757) 40632,51624 40595.47,51587.47 40595.47,51507.53 40637,51466 H1_J.46@40637,51447 ; v1(40632,60565) 40632,60719 40595,60756 40595,60901 40637,60943 H1_A.46@40637,60976 ; v1(43062,56861) 43216,56861 43252.47,56897.47 43398.53,56897.47 43440,56856 H1_H.46@43473,56856
  other v1: 40628,57305
GND_6: H1_A.48 H1_B.48 H1_C.48 H1_H.48 H1_J.48 J48_A.1 J48_B.1 J48_C.1 J48_H.1 | length 15880.1
  Top Layer w8: J48_B.1@39361.48,57300 39361.48,57299.52 v1(39419,57242) ; J48_C.1@39362.48,52575.52 v1@39420,52518 ; v1(40009,52487) 40146,52487 40163,52470 40193,52470 v1(40198,52475) ; v1(40009,57212) 40146,57212 40163,57195 40193,57195 v1(40198,57200) ; v1(40528,52503) v1@40536,52503 ; v1(40532,51757) 40532,51894 40515,51911 40515,51941 v1(40520,51946) 40529,51955 40529,52000.41 40536,52007.41 ; v1(40532,60565) 40532,60428 40515,60411 40515,60381 v1(40520,60376) 40529,60367 40529,60321.59 40536,60314.59 v1@40536,52503 ; 40536,52008 v1@40536,52503 ; v1(40562,61150) J48_A.1@40619.52,61207.52 ; v1(42873,56973) 42878,56978 42908,56978 42925,56961 v1(43062,56961) ; v1(43651,56930) J48_H.1@43708.52,56872.48
  Bottom Layer w8: v1(39419,57242) 39419,57237.27 39480.8,57175.47 39515.2,57175.47 39556.73,57217 H1_B.48@39598,57217 39631,57217 39673,57175 39818,57175 39855,57212 v1(40009,57212) ; v1@39420,52518 39420,52513.27 39481.8,52451.47 39516.2,52451.47 39557.73,52493 H1_C.48@39599,52493 ; H1_C.48@39598,52492 39631,52492 39672.47,52450.53 39818.53,52450.53 39855,52487 v1(40009,52487) ; v1(40198,52475) 40218,52495 40276.55,52495 40292.55,52511 40521,52511 v1@40529,52503 ; v1(40198,57200) 40218,57220 40276.55,57220 40292.55,57236 v1@40521,57236 ; v1@40528,56827 40559.5,56858.5 40569.03,56858.5 40667.53,56957 42811.59,56957 42818.59,56964 42864,56964 v1(42873,56973) ; v1(40532,51757) 40532,51624 40495.47,51587.47 40495.47,51507.53 40537,51466 H1_J.48@40537,51447 ; v1(40532,60565) 40532,60719 40495,60756 40495,60901 40537,60943 H1_A.48@40537,60976 40537,61012.27 40495.47,61053.8 40495.47,61093.2 40519.8,61117.53 40529.53,61117.53 v1(40562,61150) ; v1(43062,56961) 43216,56961 43252.47,56997.47 43398.53,56997.47 43440,56956 H1_H.48@43473,56956 ; H1_H.48@43472,56955 43513.27,56955 43554.8,56996.53 43589.2,56996.53 43651,56934.73 v1(43651,56930)
  other v1: 39419,52518 40528,56816.25 40528,57228
GND_7: H1_A.50 H1_B.50 H1_C.50 H1_H.50 H1_J.50 J50_A.1 J50_B.1 J50_C.1 J50_H.1 | length 15692.9
  Top Layer w8: J50_B.1@39362.48,57111.66 39444.62,57111.66 39480.8,57075.47 39515.2,57075.47 39556.73,57117 H1_B.50@39598,57117 ; J50_C.1@39363.48,52387.66 39445.62,52387.66 39481.8,52351.47 39516.2,52351.47 39557.73,52393 H1_C.50@39599,52393 ; v1(40420,51946) 40429,51955 40429,52000.41 40440,52011.41 40440,52409 v1(40432,52409) ; v1(40420,60376) 40424,60372 40424,60326.59 40440,60310.59 40440,57189.94 40424,57173.94 v1@40424,57140 ; v1@40424,52409 40424,52448.94 40440,52464.94 ; v1@40430,56816 40424,56822 40424,56861 40440,56877 40440,57113.94 40432,57121.94 v1(40432,57134) ; J50_A.1@40431.66,61206.52 40431.66,61130.66 40395.47,61094.47 40395.47,61053.8 40437,61012.27 H1_A.50@40437,60976 H1_A.50@40437,60971 ; v1(40432,56816) 40440,56816 40440,52465 ; H1_H.50@43472,57055 43513.27,57055 43554.8,57096.53 43589.2,57096.53 43625.38,57060.34 J50_H.1@43707.52,57060.34
  Bottom Layer w8: H1_C.50@39600.48,52392 39638,52392 39679.47,52350.53 40173.53,52350.53 ; H1_B.50@39600.48,57117 39638,57117 39680.53,57074.47 39774.12,57074.47 39774.17,57074.53 40172.53,57074.53 v1(40198,57100) 40216,57118 40262.57,57118 40284.57,57140 40330.8,57140 40344.8,57154 40415,57154 v1@40432,57137 ; 40172.53,52349.53 40173.53,52350.53 ; v1(40420,51946) 40394.53,51920.53 40394.53,51639.94 40395.47,51639 40395.47,51507.53 40437,51466 H1_J.50@40437,51447 ; v1(40420,60376) 40394.53,60401.47 40394.53,60799.83 40394.47,60799.88 40394.47,60893.47 40437,60936 H1_A.50@40437,60973.52 ; v1@40429,56816 40424,56821 40424,56860.24 40438.76,56875 40449.76,56875 40631.76,57057 42811.59,57057 42818.59,57064 42864,57064 v1(42873,57073) 42897.47,57097.47 43391.53,57097.47 43433,57056 H1_H.50@43470.52,57056 ; v1@40432,52412 40415,52429 40344.8,52429 40330.8,52415 40284.57,52415 40262.57,52393 40216,52393 v1(40198,52375) 40173.53,52350.53
GND_8: H1_A.52 H1_B.52 H1_C.52 H1_H.52 H1_J.52 J52_A.1 J52_B.1 J52_C.1 J52_H.1 pad.11 | length 16095.8
  Top Layer w8: v1(40320,51946) 40329,51955 40329,52001.63 40376,52048.63 40376,52313.37 40352,52337.37 v1(40352,52343) ; v1(40320,60376) 40329,60367 40329,60320.37 40376,60273.37 40376,57216.45 40360,57200.45 40360,57123.94 40344,57107.94 40344,57088.06 40349,57083.06 v1@40349,57070 ; v1@40344,52343 40344,52382.94 40360,52398.94 40360,52478 40376,52494 40376,56696 v1(40368,56696) ; v1(40352,57068) 40352,57055.94 40375.94,57032 40376,57032 40376,56903.51 40360,56887.51 v1@40360,56695
  Top Layer w10: J52_B.1@39362.48,57017 39437.86,57017 39480.38,56974.47 39515.62,56974.47 39558.14,57017 H1_B.52@39598,57017 ; J52_C.1@39363.48,52293 39438.86,52293 39481.38,52250.47 39516.62,52250.47 39559.14,52293 H1_C.52@39599,52293 ; H1_A.52@40337,60971 H1_A.52@40337,60976 40337,61010.86 40294.47,61053.38 40294.47,61093.62 40337,61136.14 J52_A.1@40337,61206.52 ; H1_H.52@43472,57155 43511.86,57155 43554.38,57197.53 43589.62,57197.53 43632.14,57155 J52_H.1@43707.52,57155
  Bottom Layer w8: H1_C.52@39600.48,52292 39638,52292 39692,52238 40161,52238 v1(40198,52275) 40207,52284 40253.57,52284 40312.57,52343 v1(40352,52343) ; H1_B.52@39600.48,57017 39638,57017 39692,56963 40161,56963 v1(40198,57000) 40207,57009 40253.57,57009 40312.57,57068 v1(40352,57068) ; v1(40320,51946) 40283,51909 40283,51489 40325,51447 H1_J.52@40337,51447 ; v1(40320,60376) 40283,60413 40283,60882 40337,60936 H1_A.52@40337,60973.52 ; v1@40365,56695 40367.63,56697.63 40367.63,56706.43 40360,56714.06 40360,56886.75 40412.25,56939 40423.25,56939 40624.25,57140 40635.2,57140 40652.2,57157 42811.59,57157 42818.59,57164 42864,57164 v1(42873,57173) 42910,57210 43379,57210 43433,57156 H1_H.52@43470.52,57156
  Bottom Layer w10: pad.11@40150,60950 40200,60950 40226,60976 H1_A.52@40337,60976
GND_9: H1_A.61 H1_B.61 H1_C.61 H1_H.61 H1_J.61 J61_A.2 J61_B.2 J61_C.2 J61_H.2 | length 17833.1
  Top Layer w8: v1(42412,54295) 42404,54303 42404,54347 42412,54355 ; 42412,55013 42404,55021 42404,55065 v1(42412,55073) ; v1(42412,59020) 42404,59028 42404,59074 42412,59082
  Top Layer w16: v1(42400,51971) 42409,51980 42409,52010 42412,52013 42412,52018 ; v1(42400,60351) 42409,60342 42409,60312 42412,60309 42412,60304
  Top Layer w24: J61_B.2@39362.48,59117 39412.01,59166.53 v1(39514,59166.53) ; J61_C.2@39363.48,54393 39413.01,54442.53 v1(39515,54442.53) ; 42412,52027 v1(42412,54295) ; 42412,54355 42412,55013 ; v1(42412,55073) v1(42412,59020) ; 42412,59082 42412,60304 ; J61_A.2@42437,61211.52 42486.53,61161.99 v1(42486.53,61060) ; v1(43556,55005.47) 43657.99,55005.47 J61_H.2@43707.52,55055
  Bottom Layer w8: H1_C.61@39698,54392 39735,54392 39777.53,54434.53 39823.47,54434.53 39833,54425 39848,54425 ; H1_B.61@39698,59117 39735,59117 39776.53,59158.53 39824.47,59158.53 39833,59150 39848,59150 ; H1_J.61@42437,51347 42478.53,51388.53 42478.53,51587.47 42470,51596 ; H1_A.61@42437,60876 42437,60839 42478.53,60797.47 42478.53,60749.53 42470,60741 42470,60726 ; 43223,55023 43238,55023 43247.53,55013.47 43293.47,55013.47 43336,55056 H1_H.61@43373,55056
  Bottom Layer w16: v1(40223,54355) 40232,54364 40262,54364 ; v1(40223,59080) 40232,59089 40262,59089 ; 40265,59092 40270,59092 ; 42386.63,54333.63 42386.63,54327.97 42408,54306.6 42408,54299 v1(42412,54295) ; 42386.63,59058.63 42386.63,59052.97 42408,59031.6 42408,59024 v1(42412,59020) ; 42801,55081 42806,55081 ; 42809,55084 42839,55084 v1(42848,55093)
  Bottom Layer w22: 40208,54340 v1(40223,54355) ; 40208,59065 v1(40223,59080) ; 42385,51956 v1(42400,51971) ; 42385,60366 v1(42400,60351) ; v1(42848,55093) 42863,55108
  Bottom Layer w24: v1(39514,59166.53) 39630.47,59166.53 39680,59117 H1_B.61@39698,59117 ; v1(39515,54442.53) 39631.47,54442.53 39681,54393 H1_C.61@39699,54393 ; 39848,54425 40068,54425 40153,54340 40208,54340 ; 39848,59150 40068,59150 40153,59065 40208,59065 ; 40270,54367 42353.25,54367 42386.63,54333.63 ; 40270,59092 42353.25,59092 42386.63,59058.63 ; 42385,51956 42385,51901 42470,51816 42470,51596 ; 42385,60366 42385,60421 42470,60506 42470,60726 ; v1(42412,55073) 42420,55081 42801,55081 ; H1_A.61@42437,60876 42437,60894 42486.53,60943.53 v1(42486.53,61060) ; 42863,55108 42918,55108 43003,55023 43223,55023 ; H1_H.61@43372,55055 43390,55055 43439.53,55005.47 v1(43556,55005.47)
GND_10: H1_A.69 H1_B.69 H1_C.69 H1_H.69 H1_J.69 J69_A.2 J69_B.2 J69_C.2 J69_H.2 | length 17398
  Top Layer w8: v1(42012,53935) 42004,53943 42004,53987 42012,53995 ; 42012,55413 42004,55421 42004,55465 v1(42012,55473) ; v1(42012,58660) 42004,58668 42004,58712 42012,58720
  Top Layer w16: v1(42000,51971) 42009,51980 42009,52010 42012,52013 42012,52018 ; v1(42000,60351) 42009,60342 42009,60312 42012,60309 42012,60304
  Top Layer w24: J69_B.2@39362.48,58717 39412.48,58767 v1(39516,58767) ; J69_C.2@39363.48,53993 39413.48,54043 v1(39517,54043) ; 42012,52020 v1(42012,53935) ; 42012,53995 42012,55413 ; v1(42012,55473) v1(42012,58660) ; 42012,58720 42012,60304 ; J69_A.2@42037,61211.52 42087,61161.52 v1(42087,61058) ; v1(43554,55405) 43657.52,55405 J69_H.2@43707.52,55455
  Bottom Layer w8: H1_C.69@39698,53992 39735,53992 39777.53,54034.53 39823.47,54034.53 39833,54025 39848,54025 ; H1_B.69@39698,58717 39735,58717 39776.53,58758.53 39824.47,58758.53 39833,58750 39848,58750 ; H1_J.69@42037,51347 42078.53,51388.53 42078.53,51587.47 42070,51596 ; H1_A.69@42037,60876 42037,60839 42078.53,60797.47 42078.53,60749.53 42070,60741 42070,60726 ; 43223,55423 43238,55423 43247.53,55413.47 43293.47,55413.47 43336,55456 H1_H.69@43373,55456
  Bottom Layer w16: v1(40223,53955) 40232,53964 40262,53964 ; v1(40223,58680) 40232,58689 40262,58689 ; 40265,53967 40270,53967 ; 40265,58692 40270,58692 ; 42801,55481 42806,55481 ; 42809,55484 42839,55484 v1(42848,55493)
  Bottom Layer w22: 40208,53940 v1(40223,53955) ; 40208,58665 v1(40223,58680) ; 41985,51956 v1(42000,51971) ; 41985,60366 v1(42000,60351) ; v1(42848,55493) 42863,55508
  Bottom Layer w24: v1(39516,58767) 39631,58767 39681,58717 H1_B.69@39698,58717 ; v1(39517,54043) 39632,54043 39682,53993 H1_C.69@39699,53993 ; 39848,54025 40068,54025 40153,53940 40208,53940 ; 39848,58750 40068,58750 40153,58665 40208,58665 ; 40270,53967 41980,53967 v1(42012,53935) ; 40270,58692 41980,58692 v1(42012,58660) ; 41985,51956 41985,51901 42070,51816 42070,51596 ; 41985,60366 41985,60421 42070,60506 42070,60726 ; v1(42012,55473) 42020,55481 42801,55481 ; H1_A.69@42037,60876 42037,60893 42087,60943 v1(42087,61058) ; 42863,55508 42918,55508 43003,55423 43223,55423 ; H1_H.69@43372,55455 43389,55455 43439,55405 v1(43554,55405)